# Altium PCB host_board.PcbDoc (part 6 of 8) (continued)
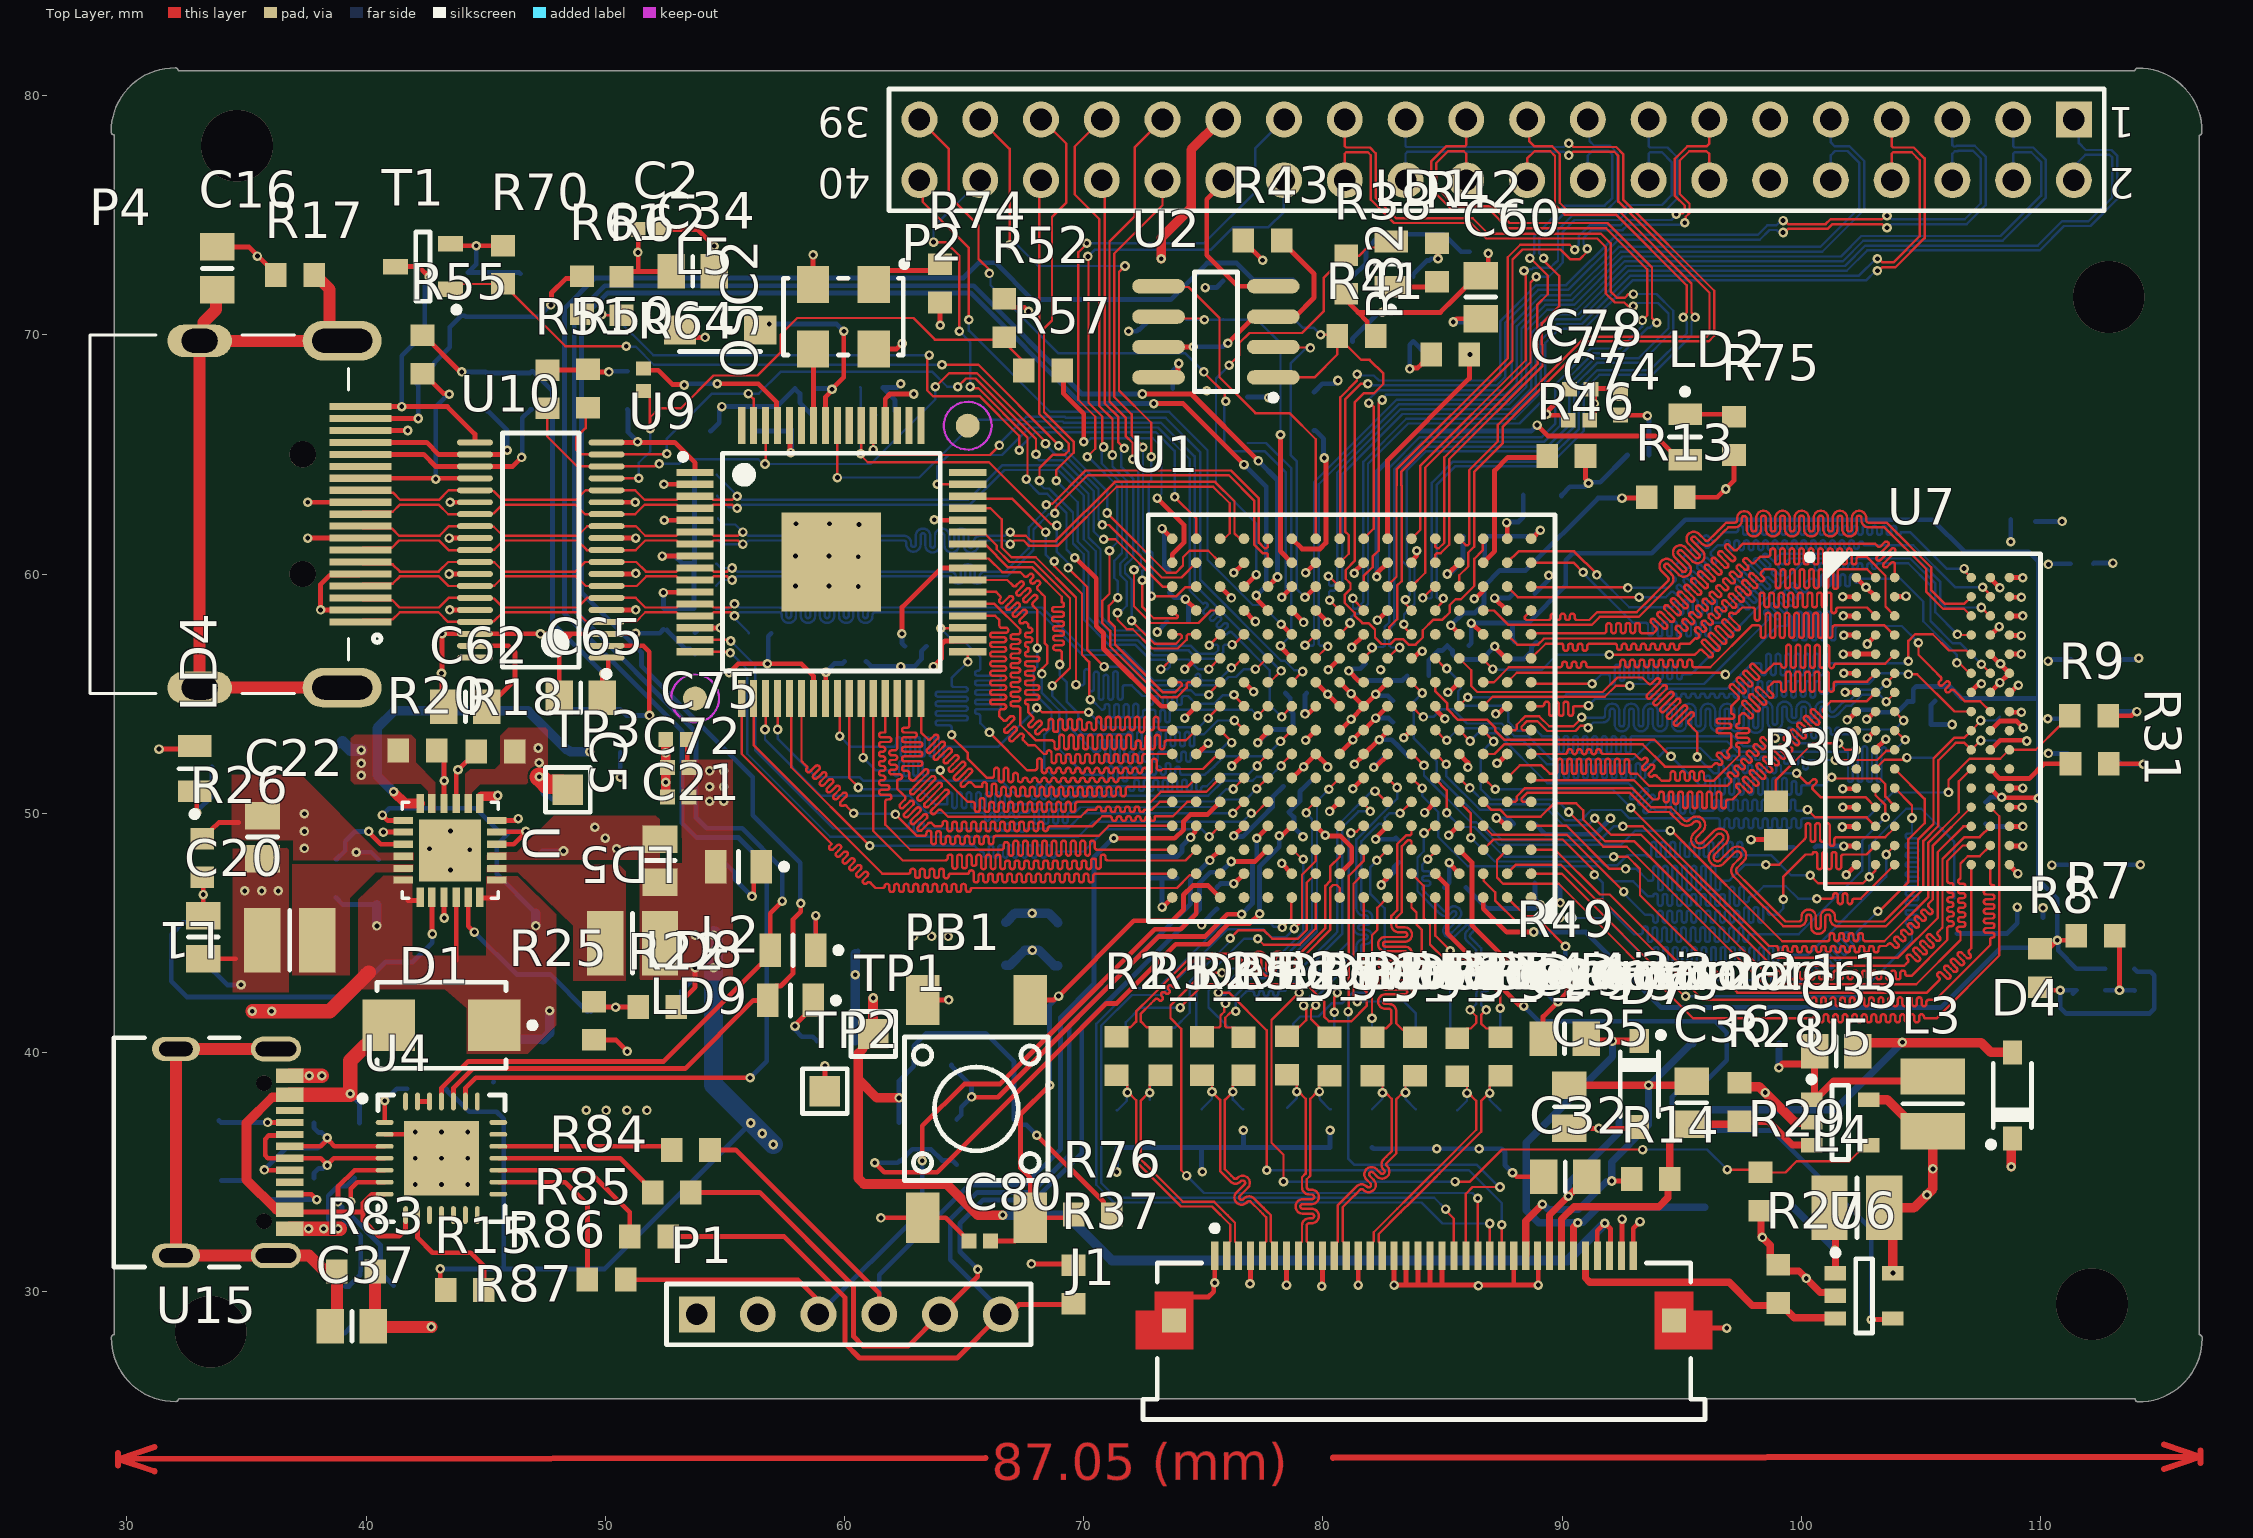
[diagram p0: Top Layer view]
## Nets (pads, with @x,y where several pads share a name; then routed paths per layer and width w, separated by ;. In a path a pad name is that pad's centre, name@x,y a point inside that pad or via, vN(x,y) a via of type N, cw(c..) or ccw(c..) an arc to the next point about the centre after c; other vN are vias at no path point) (continued)
  Bottom Layer w0.1: v1(88.404,72.679) 88.462,72.736 88.731,72.736 88.795,72.8 89.5,72.8 89.725,73.025 89.742,73.025 89.825,73.108 89.825,74.386 90.439,75 92.303,75 92.728,75.425 94.167,75.425 94.575,75.833 94.575,77.225 94.17,77.63 93.671,77.63 93.613,77.571 P2.16@93.613,76.46
GPIO6_P: P2.15 U1.P6 | length 27.3
  Top Layer w0.1: U1.P6@83.7,59.475 84.275,60.05 84.275,64.45 88.675,68.85 88.675,72.185 v1(88.915,72.425)
  Bottom Layer w0.1: v1(88.915,72.425) 89.441,72.425 89.916,72.9 89.916,72.917 90.025,73.025 90.025,74.304 90.521,74.8 92.386,74.8 92.811,75.225 94.34,75.225 94.809,75.695 94.809,77.423 94.403,77.83 93.671,77.83 93.613,77.889 P2.15@93.613,79
GPIO7_N: P2.18 U1.T5 | length 23.8
  Top Layer w0.1: U1.T5@84.7,61.475 84.7,61.134 84.759,61.075 84.841,61.075 85.075,61.309 85.075,64.883 88.976,68.784 88.976,69.49 88.952,69.514 88.952,71.247 89.4,71.695 89.4,72.475 88.675,73.2 v1(88.65,73.2)
  Bottom Layer w0.1: v1(88.65,73.2) 88.65,73.221 88.837,73.409 88.837,74.12 90.117,75.4 91.775,75.4 92.1,75.725 92.1,77.525 91.925,77.7 91.284,77.7 91.073,77.489 P2.18@91.073,76.46
GPIO7_P: P2.17 U1.R5 | length 24.4
  Top Layer w0.1: U1.R5@84.7,60.475 84.7,60.816 84.759,60.875 84.924,60.875 85.275,61.226 85.275,64.8 89.176,68.701 89.176,69.573 89.152,69.597 89.152,70.477 89.875,71.2 89.875,72.463 89.225,73.113 v1(89.225,73.2)
  Bottom Layer w0.1: v1(89.225,73.2) 89.225,73.221 89.037,73.409 89.037,74.037 90.2,75.2 91.858,75.2 92.3,75.642 92.3,77.608 92.008,77.9 91.342,77.9 91.142,78.1 91.142,78.93 P2.17@91.073,79
GPIO8_N: P2.20 U1.P5 | length 33.6
  Top Layer w0.1: v1(84.175,59) 84.7,59.525 U1.P5@84.7,59.475 ; P2.20@88.533,76.46 88.533,77.365 88.842,77.675 89.5,77.675 89.7,77.475 89.7,75.434 90.109,75.025 92.25,75.025 95.209,72.066 95.209,70.934 95.059,70.784 v1(95.059,70.725)
  Bottom Layer w0.1: v1(84.175,59) 84.2,58.975 84.491,58.975 84.55,59.034 84.55,63.808 85.442,64.7 89.333,64.7 90.7,66.067 90.7,67.758 91.467,68.525 93.675,68.525 95.209,70.059 95.209,70.533 95.059,70.683 v1(95.059,70.725)
GPIO8_P: P2.19 U1.N5 | length 33.7
  Top Layer w0.1: U1.N5@84.7,58.475 84.7,58.525 85.025,58.85 v1(85.025,58.978) ; P2.19@88.533,79 88.617,78.915 88.617,78.1 88.842,77.875 89.583,77.875 89.9,77.558 89.9,75.517 90.192,75.225 92.333,75.225 95.409,72.149 95.409,70.934 95.559,70.784 v1(95.559,70.725)
  Bottom Layer w0.1: v1(85.025,58.978) 85.097,58.978 85.1,58.975 84.809,58.975 84.75,59.034 84.75,63.725 85.525,64.5 89.416,64.5 90.9,65.984 90.9,67.675 91.55,68.325 93.758,68.325 95.409,69.976 95.409,70.533 95.559,70.683 v1(95.559,70.725)
GPIO9_N: P2.22 U1.L7 | length 39.5
  Top Layer w0.1: U1.L7@82.7,56.475 v1@83.175,56.95 ; P2.22@85.993,76.46 85.993,77.571 85.889,77.675 85.225,77.675 84.733,77.183 84.733,76.167 85.534,75.366 87.109,75.366 87.8,74.675 91.897,74.675 93.755,72.818 93.755,70.709 93.955,70.508 v1(93.955,70.5)
  Bottom Layer w0.1: v1(83.204,56.928) 83.202,56.93 82.854,56.93 82.775,57.009 82.775,57.7 82.975,57.9 82.975,64.368 84.132,65.525 89.234,65.525 89.916,66.207 89.916,67.85 91.291,69.225 92.508,69.225 93.584,70.301 93.675,70.301 93.874,70.5 v1(93.955,70.5)
GPIO9_P: P2.21 U1.L8 | length 39.6
  Top Layer w0.1: U1.L8@81.7,56.475 v1@82.15,56.925 ; P2.21@85.993,79 85.993,77.934 85.934,77.875 85.142,77.875 84.533,77.266 84.533,76.084 85.451,75.166 87.026,75.166 87.742,74.45 91.84,74.45 93.555,72.735 93.555,70.812 93.355,70.612 v1(93.355,70.603)
  Bottom Layer w0.1: v1(82.05,56.928) 82.153,56.928 82.175,56.95 82.516,56.95 82.575,57.009 82.575,57.783 82.775,57.983 82.775,64.451 84.049,65.725 89.152,65.725 89.716,66.29 89.716,67.933 91.209,69.425 92.425,69.425 93.34,70.34 93.34,70.589 v1(93.355,70.603)
GPIO10_N: P2.24 U1.T4 | length 35.7
  Top Layer w0.1: U1.T4@85.7,61.475 85.975,61.2 86.058,61.2 86.116,61.259 86.116,64.349 87.309,65.541 87.309,66.234 91,69.925 96.042,69.925 96.159,70.042 96.159,71.758 92.35,75.567 92.35,77.475 92.175,77.65 90.467,77.65 90.317,77.5 v1(90.275,77.5)
  Bottom Layer w0.1: P2.24@83.453,76.46 83.453,77.571 83.531,77.65 90.066,77.65 90.216,77.5 v1(90.275,77.5)
GPIO10_P: P2.23 U1.P4 | length 37.5
  Top Layer w0.1: U1.P4@85.7,59.475 85.7,59.945 86.075,60.32 86.075,60.9 86.316,61.141 86.316,64.266 87.509,65.459 87.509,66.151 91.083,69.725 96.125,69.725 96.359,69.959 96.359,71.841 92.55,75.65 92.55,77.558 92.258,77.85 90.467,77.85 90.317,78 v1(90.275,78)
  Bottom Layer w0.1: P2.23@83.453,79 83.453,77.889 83.491,77.85 90.066,77.85 90.216,78 v1(90.275,78)
GPIO11_N: P2.26 U1.N6 | length 41.2
  Top Layer w0.1: P2.26@80.913,76.46 80.913,77.571 80.971,77.63 81.878,77.63 82,77.508 82,75.651 82.975,74.675 86.178,74.675 86.829,74.025 91.469,74.025 91.825,73.669 91.825,71.73 92.203,71.352 92.598,71.352 92.75,71.2 v1(92.975,71.2) ; v1(83.45,58.925) 83.45,58.755 83.7,58.505 U1.N6@83.7,58.475
  Bottom Layer w0.1: v1(83.45,58.925) 83.45,58.959 83.625,59.134 83.625,59.245 83.625,60.225 83.299,60.551 83.299,64.409 84.215,65.325 89.392,65.325 90.3,66.233 90.3,67.951 91.374,69.025 93.2,69.025 94.446,70.271 94.446,70.893 94.01,71.328 93.103,71.328 v1(92.975,71.2)
GPIO11_P: P2.25 U1.M6 | length 42.7
  Top Layer w0.1: P2.25@80.913,79 80.913,77.889 80.971,77.83 81.961,77.83 82.2,77.591 82.2,75.734 83.058,74.875 86.261,74.875 86.911,74.225 91.625,74.225 92.025,73.825 92.025,71.813 92.286,71.552 92.627,71.552 92.778,71.703 v1(92.98,71.703) ; v1@83.386,57.789 U1.M6@83.7,57.475
  Bottom Layer w0.1: v1(83.386,57.9) 83.386,58.309 83.825,58.748 83.825,59.328 83.825,60.308 83.499,60.634 83.499,64.327 84.298,65.125 89.475,65.125 90.5,66.15 90.5,67.868 91.457,68.825 93.283,68.825 94.646,70.188 94.646,71.004 93.947,71.703 v1(92.98,71.703) v1@92.937,71.703
GPIO12_N: P2.28 U1.K16 | length 31.8
  Top Layer w0.1: v1@70.2,73.25 70.2,67.16 70.775,66.585 70.775,65.364 v1(70.828,65.311) ; v1(71.425,59.015) 71.39,59.015 71.05,58.675 71.05,58.038 71.309,57.779 71.309,57.054 73.313,55.05 73.816,55.05 74.1,55.334 74.1,55.416 74.041,55.475 U1.K16@73.7,55.475
  Bottom Layer w0.1: v1(70.175,73.275) 70.45,73.55 75.305,73.55 76.255,74.5 77.725,74.5 78.365,75.14 78.365,76.453 P2.28@78.373,76.46 ; v1@70.725,65.175 70.753,65.203 70.753,64.622 71.6,63.775 71.6,60.875 71.275,60.55 71.275,59.842 71.425,59.692 v1(71.425,59.015)
GPIO12_P: P2.27 U1.K15 | length 34.7
  Top Layer w0.1: v1@70.125,73.8 69.768,73.443 69.768,67.286 70.478,66.575 70.478,65.358 70.478,65.236 v1(70.142,64.9) ; v1(71.075,60.975) 71.075,59.175 70.775,58.875 70.775,57.955 71.109,57.621 71.109,56.971 73.23,54.85 73.899,54.85 74.3,55.251 74.3,55.416 74.359,55.475 U1.K15@74.7,55.475
  Bottom Layer w0.1: v1(70.128,73.825) 75.025,73.825 77.175,75.975 77.175,77.802 P2.27@78.373,79 ; v1(70.142,64.9) 70.142,64.95 70.385,64.707 71.4,63.692 71.4,61.325 71.075,61 v1(71.075,60.975)
GPIO13_N: P2.32 U1.N16 | length 21.4
  Top Layer w0.1: v1(72.45,59.735) 72.45,58.625 72.925,58.15 73.883,58.15 73.925,58.192 73.925,58.25 U1.N16@73.7,58.475 ; v1(72.475,65.3) 72.475,65.333 72,65.808 72,66.675 71.275,67.4 71.275,73.4 73.293,75.418 P2.32@73.293,76.46
  Bottom Layer w0.1: v1(72.45,59.735) 72.385,59.735 72.45,59.8 72.45,60.132 72.675,60.357 72.675,60.788 72.475,60.988 v1@72.475,65.204
GPIO13_P: P2.31 U1.N14 | length 26.4
  Top Layer w0.1: v1(72.05,64.8) 72.05,65.475 71.75,65.775 71.75,66.543 71.075,67.218 71.075,73.9 72.125,74.95 72.125,77.832 P2.31@73.293,79 ; v1(72.1,60.175) 72.1,58.65 72.8,57.95 74.8,57.95 75.325,58.475 U1.N14@75.7,58.475
  Bottom Layer w0.1: v1@71.936,64.814 72.275,64.475 72.275,60.905 72.395,60.786 72.395,60.36 72.21,60.175 v1(72.1,60.175) v1@71.965,60.175 ; v1@71.95,64.85 72,64.8 v1(72.05,64.8)
GPIO14_N: P2.34 U1.M16 | length 22.5
  Top Layer w0.1: P2.34@70.753,76.46 70.875,76.338 70.875,67.129 71.447,66.557 71.447,65.497 v1(71.694,65.25) ; v1(72,58.047) 72.964,57.084 73.85,57.084 74.1,57.334 74.1,57.416 74.041,57.475 U1.M16@73.7,57.475
  Bottom Layer w0.1: v1@71.694,65.151 v1(71.694,65.25) 71.575,65.131 71.575,64.469 72.075,63.969 72.075,60.699 71.725,60.349 71.725,60.04 72,59.765 v1(72,58.047)
GPIO14_P: P2.33 U1.M15 | length 27
  Top Layer w0.1: P2.33@70.753,79 69.625,77.872 69.625,75.867 70.65,74.842 70.65,67.025 71.2,66.475 v1(71.2,64.975) ; v1(71.41,58.375) 71.41,58.086 71.804,57.692 72.05,57.692 72.859,56.884 73.933,56.884 74.3,57.251 74.3,57.416 74.359,57.475 U1.M15@74.7,57.475
  Bottom Layer w0.1: v1(71.2,64.975) 71.112,64.975 71.065,64.928 71.2,64.794 71.2,64.5 71.8,63.9 71.8,60.707 71.525,60.432 71.525,59.957 71.8,59.682 71.8,58.675 71.5,58.375 v1(71.41,58.375)
GPIO15_N: P2.36 U1.L16 | length 26
  Top Layer w0.1: P2.36@68.067,76.375 68.138,76.304 68.138,66.692 69.375,65.455 69.375,65.15 69.215,64.99 68.709,64.99 68.15,64.431 v1(68.15,63.9) ; v1@73.25,56.025 U1.L16@73.7,56.475
  Bottom Layer w0.1: v1(68.15,63.9) 68.15,63.774 68.349,63.575 68.55,63.575 69.55,62.575 69.55,61.275 70,60.825 70,58.1 71.063,57.037 72.163,57.037 72.79,56.41 73.407,56.41 73.592,56.225 73.6,56.225 73.6,56.125 73.5,56.025 v1(73.225,56.025)
GPIO15_P: P2.35 U1.L14 | length 29.7
  Top Layer w0.1: P2.35@68.263,79 69.275,77.988 69.275,75.525 68.672,74.922 68.672,70.597 68.338,70.263 68.338,66.775 69.575,65.538 69.575,65.067 68.85,64.342 v1(68.85,63.9) ; v1(75.23,56.025) 75.68,56.475 U1.L14@75.7,56.475
  Bottom Layer w0.1: v1@68.775,63.975 69.75,63 69.75,61.358 70.2,60.908 70.2,58.183 71.145,57.237 72.245,57.237 72.873,56.61 73.49,56.61 73.675,56.425 74.375,56.425 74.775,56.025 v1(75.23,56.025)
GPIO_31: P2.37 U1.P15 | length 27.6
  Top Layer w0.1: P2.37@65.673,79 66.9,77.773 v1(66.9,73.762) ; v1(71.725,72.875) 71.475,72.625 71.475,67.675 72.825,66.325 v1(72.825,64.9) ; v1(72.825,59.075) 73.875,59.075 74.25,59.45 74.7,59.45 U1.P15@74.7,59.475
  Bottom Layer w0.1: v1(66.9,73.762) 67.213,73.762 68.1,72.875 v1(71.725,72.875) ; v1(72.825,59.075) 72.875,59.125 72.875,60.871 72.721,61.025 72.721,63.831 72.825,63.935 v1(72.825,64.9)
GPIO_32: P2.38 U1.J16 | length 27.9
  Top Layer w0.1: v1(63.718,73.875) 64.227,73.875 64.8,73.302 v1(64.8,70.15) ; v1(65.25,67.825) 65.307,67.768 65.596,67.768 67.65,65.713 67.65,64.019 v1(67.6,63.969)
  Top Layer w0.2: v1@69.675,60.665 70.525,59.815 70.525,57.816 70.825,57.516 70.825,56.885 73.236,54.475 U1.J16@73.7,54.475
  Bottom Layer w0.1: v1(63.718,73.875) 63.718,74.506 P2.38@65.673,76.46 ; v1(64.8,70.15) 65.25,69.7 v1(65.25,67.825) ; v1(67.6,63.969) 67.6,63.9 68.15,63.35 68.474,63.35 69.278,62.546 69.278,61.02 v1(69.624,60.675)
GPIO_33: P2.39 U1.P11 | length 30.9
  Top Layer w0.1: P2.39@63.133,79 64.35,77.783 64.35,75.825 65.6,74.575 65.6,73.175 66.09,72.685 66.054,72.65 v1(66.054,72.567) ; v1@75.008,68.433 75.9,67.541 75.9,67.262 v1(75.937,67.225)
  Top Layer w0.2: v1(78.275,59.025) 78.7,59.45 U1.P11@78.7,59.475
  Bottom Layer w0.1: v1(66.054,72.567) 66.1,72.522 66.1,72.074 68.949,69.225 74.25,69.225 v1(75.025,68.45) ; v1@75.875,67.125 75.875,65.459 76.209,65.125 77.575,65.125 78.45,64.25 78.45,59.2 v1(78.275,59.025)
GPIO_34: P2.40 U1.M11 | length 28.6
  Top Layer w0.1: P2.40@63.133,76.46 63.265,76.328 63.265,75.56 65.2,73.625 v1(65.2,70.625)
  Top Layer w0.2: v1(78.25,57.9) 78.675,57.475 U1.M11@78.7,57.475
  Bottom Layer w0.1: v1(65.2,70.625) 65.2,70.175 68.6,66.775 73.575,66.775 75.175,65.175 75.175,60.595 77.066,58.704 77.446,58.704 v1(78.25,57.9)
HDMI_5V: C63.2 C73.2 P4.18 R59.1 R61.2 | length 13.7
  Top Layer w0.2: P4.18@39.76,66.5 v1(42.175,66.5) ; v1(47.725,71.25) 47.75,71.275 47.75,71.75 48.35,72.35 48.925,72.35 R61.2@49.025,72.45
  Bottom Layer w0.2: v1(42.175,66.5) 42.175,67.9 42.05,68.025 42.05,68.075 42.4,68.425 R59.1@42.45,68.425 42.5,68.425 42.85,68.775 42.85,68.825 43.5,69.475 43.5,70.325 43.975,70.8 C73.2@44.125,70.8 44.175,70.75 C63.2@46.45,70.75 47.225,70.75 v1(47.725,71.25)
HDMI_CEC: P4.13 R55.1 U10.23 | length 10
  Top Layer w0.2: P4.13@39.76,64 U10.23@44.55,64 ; R55.1@42.35,68.375 42.4,68.375 43.227,67.548 43.434,67.548 v1(43.473,67.51)
  Bottom Layer w0.2: v1(42.915,63.97) 42.906,63.98 42.915,63.989 42.915,66.995 v1@43.42,67.5
HDMI_CEC_LV: R52.1 R57.2 R64.2 U10.16 | length 24.8
  Top Layer w0.1: U10.16@50.05,64 v1(51.4,64) ; R64.2@51.6,67.655 51.62,67.655 51.86,67.415 51.86,66.09 v1(51.875,66.075) 51.875,66.55 52.25,66.925 53.15,66.925 54.525,68.3 56.367,68.3 57.325,69.258 57.325,70 58.025,70.7 62.876,70.7 63.776,69.8 66.56,69.8 67.775,68.585 R57.2@67.775,68.5
  Bottom Layer w0.1: v1(51.4,64) 51.4,64.653 51.875,65.128 v1(51.875,66.075)
HDMI_CFG_SCL: R60.1 U1.K12 U9.53 | length 28.5
  Top Layer w0.1: U9.53@61.2,66.2 61.2,65.204 61.244,65.204 61.471,64.976 66.076,64.976 v1(66.475,65.375) ; U1.K12@77.7,55.475 77.775,55.475 v1(78.25,55.95)
  Bottom Layer w0.1: v1(61.2,65.2) 61.2,66.52 R60.1@61.33,66.65 ; v1(66.475,65.375) 66.475,65.461 67.27,66.255 67.563,66.255 67.683,66.375 69.119,66.375 69.169,66.325 73.225,66.325 74.633,64.917 74.633,59.567 v1(78.25,55.95)
HDMI_CFG_SDA: R63.1 U1.K14 U9.54 | length 25.6
  Top Layer w0.1: U9.54@60.7,66.2 60.7,64.942 60.967,64.675 66.041,64.675 68.636,62.08 68.826,62.08 v1(68.878,62.028) ; v1(69.345,60.255) 70.153,59.447 70.153,56.824 v1(70.85,56.128) ; v1@75.275,55.05 U1.K14@75.7,55.475
  Bottom Layer w0.1: R63.1@60.655,67.8 60.675,67.78 v1(60.675,65.025) ; v1(68.878,62.028) 68.878,60.925 69.35,60.454 v1@69.35,60.25 ; v1(70.85,56.128) 71.694,56.128 72.682,55.14 74.485,55.14 74.675,54.95 v1(75.23,54.95)
HDMI_D0: U1.H14 U9.43 | length 28.1
  Top Layer w0.1: U9.43@65.15,61.75 65.25,61.65 65.9,61.65 66.364,61.186 66.364,61.034 66.898,60.5 67.91,60.5 69.425,58.985 69.425,56.075 v1(68.684,55.334) v1@68.684,55.444 ; U1.H14@75.7,53.475 76.179,52.996 v1(76.179,52.953)
  Bottom Layer w0.1: v1(68.684,55.334) 68.684,54.902 69.278,54.307 69.278,53.714 70.417,52.575 70.5,52.575 70.6,52.575 ccw(c70.6,52.675) 70.7,52.675 70.7,52.982 cw(c70.8,52.982) 70.8,53.082 cw(c70.8,52.982) 70.9,52.982 70.9,52.575 70.9,52.25 ccw(c71,52.25) 71,52.15 ccw(c71,52.25) 71.1,52.25 71.1,52.575 71.1,52.982 cw(c71.2,52.982) 71.2,53.082 cw(c71.2,52.982) 71.3,52.982 71.3,52.575 71.3,52.25 ccw(c71.4,52.25) 71.4,52.15 ccw(c71.4,52.25) 71.5,52.25 71.5,52.575 71.5,52.982 cw(c71.6,52.982) 71.6,53.082 cw(c71.6,52.982) 71.7,52.982 71.7,52.575 71.7,52.25 ccw(c71.8,52.25) 71.8,52.15 ccw(c71.8,52.25) 71.9,52.25 71.9,52.475 cw(c72,52.475) 72,52.575 cw(c72,52.475) 72.1,52.475 72.1,52.25 ccw(c72.2,52.25) 72.2,52.15 ccw(c72.2,52.25) 72.3,52.25 72.3,52.475 cw(c72.4,52.475) 72.4,52.575 cw(c72.4,52.475) 72.5,52.475 72.5,52.25 ccw(c72.6,52.25) 72.6,52.15 ccw(c72.6,52.25) 72.7,52.25 72.7,52.475 cw(c72.8,52.475) 72.8,52.575 cw(c72.8,52.475) 72.9,52.475 72.9,52.25 ccw(c73,52.25) 73,52.15 ccw(c73,52.25) 73.1,52.25 73.1,52.475 cw(c73.2,52.475) 73.2,52.575 73.3,52.575 73.4,52.575 73.475,52.575 73.675,52.575 73.775,52.575 cw(c73.775,52.475) 73.875,52.475 73.875,52.25 ccw(c73.975,52.25) 73.975,52.15 ccw(c73.975,52.25) 74.075,52.25 74.075,52.475 cw(c74.175,52.475) 74.175,52.575 cw(c74.175,52.475) 74.275,52.475 74.275,52.25 ccw(c74.375,52.25) 74.375,52.15 ccw(c74.375,52.25) 74.475,52.25 74.475,52.475 cw(c74.575,52.475) 74.575,52.575 74.675,52.575 74.775,52.575 74.915,52.575 75.115,52.575 75.215,52.575 75.655,52.575 76.033,52.953 v1(76.179,52.953)
HDMI_D1: U1.H13 U9.42 | length 29.2
  Top Layer w0.1: U9.42@65.15,61.25 65.865,61.25 66.84,60.275 67.852,60.275 69.078,59.049 69.078,58.946 69.078,58.82 cw(c69.078,58.723) 69.175,58.723 69.175,58.716 cw(c69.078,58.716) 69.078,58.62 68.772,58.62 ccw(c68.772,58.52) 68.672,58.52 ccw(c68.772,58.52) 68.772,58.42 69.078,58.42 cw(c69.078,58.323) 69.175,58.323 69.175,58.316 cw(c69.078,58.316) 69.078,58.22 68.772,58.22 ccw(c68.772,58.12) 68.672,58.12 ccw(c68.772,58.12) 68.772,58.02 69.078,58.02 cw(c69.078,57.923) 69.175,57.923 69.175,57.916 cw(c69.078,57.916) 69.078,57.82 68.823,57.82 ccw(c68.823,57.72) 68.723,57.72 ccw(c68.823,57.72) 68.823,57.62 69.078,57.62 cw(c69.078,57.523) 69.175,57.523 69.175,57.516 cw(c69.078,57.516) 69.078,57.42 68.823,57.42 ccw(c68.823,57.32) 68.723,57.32 ccw(c68.823,57.32) 68.823,57.22 69.078,57.22 cw(c69.078,57.123) 69.175,57.123 69.175,57.116 cw(c69.078,57.116) 69.078,57.02 68.823,57.02 ccw(c68.823,56.92) 68.723,56.92 ccw(c68.823,56.92) 68.823,56.82 68.978,56.82 cw(c68.978,56.72) 69.078,56.72 69.078,56.295 v1(69,56.216) ; v1(76.3,53.875) U1.H13@76.7,53.475
  Bottom Layer w0.1: v1(69,56.216) 69,55.756 69.293,55.463 69.293,54.648 69.775,54.165 69.775,53.5 69.975,53.3 71.65,53.3 71.825,53.3 cw(c71.925,53.3) 71.925,53.4 cw(c71.925,53.3) 72.025,53.3 72.025,52.893 ccw(c72.125,52.893) 72.125,52.793 ccw(c72.125,52.893) 72.225,52.893 72.225,53.3 cw(c72.325,53.3) 72.325,53.4 cw(c72.325,53.3) 72.425,53.3 72.425,52.893 ccw(c72.525,52.893) 72.525,52.793 ccw(c72.525,52.893) 72.625,52.893 72.625,53.3 cw(c72.725,53.3) 72.725,53.4 cw(c72.725,53.3) 72.825,53.3 72.825,52.893 ccw(c72.925,52.893) 72.925,52.793 ccw(c72.925,52.893) 73.025,52.893 73.025,53.3 cw(c73.125,53.3) 73.125,53.4 cw(c73.125,53.3) 73.225,53.3 73.225,52.893 ccw(c73.325,52.893) 73.325,52.793 ccw(c73.325,52.893) 73.425,52.893 73.425,53.3 cw(c73.525,53.3) 73.525,53.4 cw(c73.525,53.3) 73.625,53.3 73.625,52.893 ccw(c73.725,52.893) 73.725,52.793 ccw(c73.725,52.893) 73.825,52.893 73.825,53.3 cw(c73.925,53.3) 73.925,53.4 cw(c73.925,53.3) 74.025,53.3 74.025,52.893 ccw(c74.125,52.893) 74.125,52.793 ccw(c74.125,52.893) 74.225,52.893 74.225,53.3 cw(c74.325,53.3) 74.325,53.4 cw(c74.325,53.3) 74.425,53.3 74.425,52.893 ccw(c74.525,52.893) 74.525,52.793 ccw(c74.525,52.893) 74.625,52.893 74.625,53.2 cw(c74.725,53.2) 74.725,53.3 75.025,53.3 75.6,53.875 v1(76.3,53.875)
HDMI_D2: U1.H11 U9.41 | length 28.7
  Top Layer w0.1: U9.41@65.15,60.75 65.25,60.65 66.025,60.65 66.6,60.075 67.35,60.075 67.513,59.912 ccw(c67.583,59.983) 67.654,59.912 67.722,59.981 cw(c67.793,59.91) 67.864,59.981 cw(c67.793,59.91) 67.864,59.839 67.795,59.771 ccw(c67.866,59.7) 67.795,59.63 ccw(c67.866,59.7) 67.937,59.63 68.005,59.698 cw(c68.076,59.627) 68.146,59.698 cw(c68.076,59.627) 68.146,59.556 68.078,59.488 ccw(c68.149,59.417) 68.078,59.347 68.149,59.276 68.275,59.15 68.375,59.05 68.375,57.098 68.479,56.994 68.479,56.271 68.25,56.041 v1(68.25,55.825) ; v1(78.225,53) U1.H11@78.7,53.475
  Bottom Layer w0.1: v1(68.25,55.825) 68.25,55.032 68.975,54.307 68.975,52.675 70.05,51.6 70.65,51.6 70.725,51.6 cw(c70.725,51.5) 70.825,51.5 70.825,51.431 ccw(c70.925,51.431) 70.925,51.331 ccw(c70.925,51.431) 71.025,51.431 71.025,51.6 71.025,51.864 cw(c71.125,51.864) 71.125,51.964 cw(c71.125,51.864) 71.225,51.864 71.225,51.6 71.225,51.431 ccw(c71.325,51.431) 71.325,51.331 ccw(c71.325,51.431) 71.425,51.431 71.425,51.6 71.425,51.864 cw(c71.525,51.864) 71.525,51.964 cw(c71.525,51.864) 71.625,51.864 71.625,51.6 71.625,51.431 ccw(c71.725,51.431) 71.725,51.331 ccw(c71.725,51.431) 71.825,51.431 71.825,51.6 71.825,51.864 cw(c71.925,51.864) 71.925,51.964 cw(c71.925,51.864) 72.025,51.864 72.025,51.7 ccw(c72.125,51.7) 72.125,51.6 ccw(c72.125,51.7) 72.225,51.7 72.225,51.864 cw(c72.325,51.864) 72.325,51.964 cw(c72.325,51.864) 72.425,51.864 72.425,51.7 ccw(c72.525,51.7) 72.525,51.6 ccw(c72.525,51.7) 72.625,51.7 72.625,51.864 cw(c72.725,51.864) 72.725,51.964 cw(c72.725,51.864) 72.825,51.864 72.825,51.7 ccw(c72.925,51.7) 72.925,51.6 ccw(c72.925,51.7) 73.025,51.7 73.025,51.864 cw(c73.125,51.864) 73.125,51.964 cw(c73.125,51.864) 73.225,51.864 73.225,51.7 ccw(c73.325,51.7) 73.325,51.6 ccw(c73.325,51.7) 73.425,51.7 73.425,52.001 cw(c73.525,52.001) 73.525,52.101 cw(c73.525,52.001) 73.625,52.001 73.625,51.7 ccw(c73.725,51.7) 73.725,51.6 ccw(c73.725,51.7) 73.825,51.7 73.825,51.848 cw(c73.925,51.848) 73.925,51.948 cw(c73.925,51.848) 74.025,51.848 74.025,51.7 ccw(c74.125,51.7) 74.125,51.6 74.225,51.6 74.325,51.6 75.05,51.6 75.449,51.95 75.874,52.375 77.6,52.375 v1(78.225,53)
HDMI_D3: U1.G12 U9.39 | length 28.9
  Top Layer w0.1: U9.39@65.15,59.75 66.8,59.75 67.037,59.512 ccw(c67.106,59.581) 67.174,59.512 67.323,59.661 cw(c67.393,59.59) 67.464,59.661 cw(c67.393,59.59) 67.464,59.52 67.247,59.303 67.214,59.269 ccw(c67.284,59.199) 67.214,59.128 ccw(c67.284,59.199) 67.355,59.128 67.389,59.161 67.605,59.378 cw(c67.676,59.308) 67.747,59.378 cw(c67.676,59.308) 67.747,59.237 67.53,59.02 67.496,58.986 ccw(c67.567,58.916) 67.496,58.845 ccw(c67.567,58.916) 67.638,58.845 67.671,58.879 67.888,59.095 cw(c67.959,59.025) 68.03,59.095 cw(c67.959,59.025) 68.03,58.954 67.884,58.808 ccw(c67.954,58.737) 67.884,58.666 67.954,58.596 68.025,58.525 68.053,58.497 v1(68.053,56.903) ; v1(77.25,51.975) 77.25,52.025 U1.G12@77.7,52.475
  Bottom Layer w0.1: v1(68.053,56.903) 68.053,56.123 67.9,55.97 67.9,55.045 68.65,54.295 68.65,53.575 68.35,53.275 68.35,51.9 69.125,51.125 71.75,51.125 71.81,51.125 cw(c71.81,51.027) 71.909,51.027 ccw(c72.009,51.027) 72.009,50.927 ccw(c72.009,51.027) 72.109,51.027 72.109,51.125 72.109,51.3 cw(c72.209,51.3) 72.209,51.4 cw(c72.209,51.3) 72.309,51.3 72.309,51.125 72.309,51.027 ccw(c72.409,51.027) 72.409,50.927 ccw(c72.409,51.027) 72.509,51.027 72.509,51.125 72.509,51.3 cw(c72.609,51.3) 72.609,51.4 cw(c72.609,51.3) 72.709,51.3 72.709,51.125 72.709,51.027 ccw(c72.809,51.027) 72.809,50.927 ccw(c72.809,51.027) 72.909,51.027 72.909,51.125 72.909,51.3 cw(c73.009,51.3) 73.009,51.4 cw(c73.009,51.3) 73.109,51.3 73.109,51.125 73.109,51.027 ccw(c73.209,51.027) 73.209,50.927 ccw(c73.209,51.027) 73.309,51.027 73.309,51.125 73.309,51.3 cw(c73.409,51.3) 73.409,51.4 cw(c73.409,51.3) 73.509,51.3 73.509,51.125 73.509,51.027 ccw(c73.609,51.027) 73.609,50.927 ccw(c73.609,51.027) 73.709,51.027 73.709,51.125 73.709,51.3 cw(c73.809,51.3) 73.809,51.4 cw(c73.809,51.3) 73.909,51.3 73.909,51.125 73.909,51.027 ccw(c74.009,51.027) 74.009,50.927 ccw(c74.009,51.027) 74.109,51.027 74.109,51.125 74.109,51.3 cw(c74.209,51.3) 74.209,51.4 cw(c74.209,51.3) 74.309,51.3 74.309,51.125 74.309,51.027 ccw(c74.409,51.027) 74.409,50.927 ccw(c74.409,51.027) 74.509,51.027 74.509,51.125 74.509,51.3 cw(c74.609,51.3) 74.609,51.4 cw(c74.609,51.3) 74.709,51.3 74.709,51.125 74.709,51.027 ccw(c74.809,51.027) 74.809,50.927 ccw(c74.809,51.027) 74.909,51.027 cw(c75.007,51.027) 75.007,51.125 75.009,51.125 75.14,51.125 75.64,51.625 76.875,51.625 77.225,51.975 v1(77.25,51.975)
HDMI_D4: U1.H16 U9.38 | length 33.4
  Top Layer w0.1: U9.38@65.15,59.25 66.334,59.25 66.43,59.155 66.494,59.091 cw(c66.423,59.02) 66.494,58.949 66.492,58.948 ccw(c66.563,58.878) 66.492,58.807 ccw(c66.563,58.878) 66.634,58.807 66.706,58.879 66.878,59.051 cw(c66.949,58.981) 67.02,59.051 cw(c66.949,58.981) 67.02,58.91 66.847,58.737 66.775,58.665 ccw(c66.846,58.595) 66.775,58.524 ccw(c66.846,58.595) 66.917,58.524 66.989,58.596 67.161,58.768 cw(c67.232,58.698) 67.303,58.768 cw(c67.232,58.698) 67.303,58.627 67.13,58.454 67.058,58.383 ccw(c67.129,58.312) 67.058,58.241 ccw(c67.129,58.312) 67.2,58.241 67.271,58.313 67.444,58.486 cw(c67.515,58.415) 67.585,58.486 cw(c67.515,58.415) 67.585,58.344 67.413,58.172 67.341,58.1 ccw(c67.412,58.029) 67.341,57.958 ccw(c67.412,58.029) 67.482,57.958 67.484,57.959 cw(c67.554,57.889) 67.625,57.959 67.675,57.909 67.675,57.85 67.675,57.828 ccw(c67.753,57.828) 67.753,57.75 cw(c67.753,57.65) 67.853,57.65 cw(c67.753,57.65) 67.753,57.55 67.675,57.55 67.643,57.55 ccw(c67.643,57.45) 67.543,57.45 ccw(c67.643,57.45) 67.643,57.35 67.675,57.35 67.753,57.35 cw(c67.753,57.25) 67.853,57.25 cw(c67.753,57.25) 67.753,57.15 67.675,57.15 67.643,57.15 ccw(c67.643,57.05) 67.543,57.05 ccw(c67.643,57.05) 67.643,56.95 cw(c67.643,56.918) 67.675,56.918 67.675,56.782 cw(c67.643,56.782) 67.643,56.75 ccw(c67.643,56.65) 67.543,56.65 ccw(c67.643,56.65) 67.643,56.55 67.675,56.55 68.044,56.55 cw(c68.044,56.45) 68.144,56.45 cw(c68.044,56.45) 68.044,56.35 67.675,56.35 67.643,56.35 ccw(c67.643,56.25) 67.543,56.25 ccw(c67.643,56.25) 67.643,56.15 67.675,56.15 67.86,56.15 cw(c67.86,56.05) 67.96,56.05 cw(c67.86,56.05) 67.86,55.95 67.675,55.95 67.643,55.95 ccw(c67.643,55.85) 67.543,55.85 ccw(c67.643,55.85) 67.643,55.75 67.675,55.75 67.835,55.75 cw(c67.835,55.65) 67.935,55.65 cw(c67.835,55.65) 67.835,55.55 67.675,55.55 67.643,55.55 ccw(c67.643,55.45) 67.543,55.45 ccw(c67.643,55.45) 67.643,55.35 67.675,55.35 68.044,55.35 cw(c68.044,55.25) 68.144,55.25 cw(c68.044,55.25) 68.044,55.15 67.675,55.15 67.643,55.15 ccw(c67.643,55.05) 67.543,55.05 ccw(c67.643,55.05) 67.643,54.95 67.675,54.95 68.044,54.95 cw(c68.044,54.85) 68.144,54.85 cw(c68.044,54.85) 68.044,54.75 67.675,54.75 67.643,54.75 ccw(c67.643,54.65) 67.543,54.65 ccw(c67.643,54.65) 67.643,54.55 cw(c67.643,54.518) 67.675,54.518 67.675,54.375 67.675,54.225 67.862,54.037 cw(c67.795,53.97) 67.862,53.902 67.714,53.753 ccw(c67.784,53.683) 67.714,53.612 ccw(c67.784,53.683) 67.855,53.612 68.071,53.829 68.076,53.833 cw(c68.146,53.762) 68.217,53.833 cw(c68.146,53.762) 68.217,53.691 68.213,53.687 67.996,53.471 ccw(c68.067,53.4) 67.996,53.329 ccw(c68.067,53.4) 68.138,53.329 68.284,53.475 cw(c68.354,53.404) 68.425,53.475 ccw(c68.425,53.575) 68.525,53.575 68.525,53.841 cw(c68.625,53.841) 68.625,53.941 cw(c68.625,53.841) 68.725,53.841 68.725,53.475 ccw(c68.794,53.475) 68.794,53.406 68.856,53.406 ccw(c68.856,53.475) 68.925,53.475 68.925,53.841 cw(c69.025,53.841) 69.025,53.941 cw(c69.025,53.841) 69.125,53.841 69.125,53.575 ccw(c69.225,53.575) 69.225,53.475 ccw(c69.225,53.575) 69.325,53.575 69.325,53.841 cw(c69.425,53.841) 69.425,53.941 cw(c69.425,53.841) 69.525,53.841 69.525,53.575 ccw(c69.625,53.575) 69.625,53.475 ccw(c69.625,53.575) 69.725,53.575 69.725,53.841 cw(c69.825,53.841) 69.825,53.941 cw(c69.825,53.841) 69.925,53.841 69.925,53.575 ccw(c70.025,53.575) 70.025,53.475 ccw(c70.025,53.575) 70.125,53.575 70.125,53.704 cw(c70.225,53.704) 70.225,53.804 cw(c70.225,53.704) 70.325,53.704 70.325,53.575 ccw(c70.425,53.575) 70.425,53.475 ccw(c70.425,53.575) 70.525,53.575 70.525,53.928 cw(c70.625,53.928) 70.625,54.028 cw(c70.625,53.928) 70.725,53.928 70.725,53.575 ccw(c70.825,53.575) 70.825,53.475 ccw(c70.825,53.575) 70.925,53.575 70.925,53.928 cw(c71.025,53.928) 71.025,54.028 cw(c71.025,53.928) 71.125,53.928 71.125,53.575 ccw(c71.225,53.575) 71.225,53.475 ccw(c71.225,53.575) 71.325,53.575 71.325,53.928 cw(c71.425,53.928) 71.425,54.028 cw(c71.425,53.928) 71.525,53.928 71.525,53.575 ccw(c71.625,53.575) 71.625,53.475 ccw(c71.625,53.575) 71.725,53.575 71.725,53.928 cw(c71.825,53.928) 71.825,54.028 cw(c71.825,53.928) 71.925,53.928 71.925,53.575 ccw(c72.025,53.575) 72.025,53.475 ccw(c72.025,53.575) 72.125,53.575 72.125,53.928 cw(c72.225,53.928) 72.225,54.028 cw(c72.225,53.928) 72.325,53.928 72.325,53.475 ccw(c72.425,53.475) 72.425,53.375 ccw(c72.425,53.475) 72.525,53.475 72.525,53.928 cw(c72.625,53.928) 72.625,54.028 cw(c72.625,53.928) 72.725,53.928 72.725,53.575 ccw(c72.825,53.575) 72.825,53.475 ccw(c72.825,53.575) 72.925,53.575 72.925,53.928 cw(c73.025,53.928) 73.025,54.028 cw(c73.025,53.928) 73.125,53.928 73.125,53.575 ccw(c73.225,53.575) 73.225,53.475 73.325,53.475 73.42,53.475 U1.H16@73.7,53.475